# KiCad board QUT_Autopilot_Pixracer.kicad_pcb (continued)
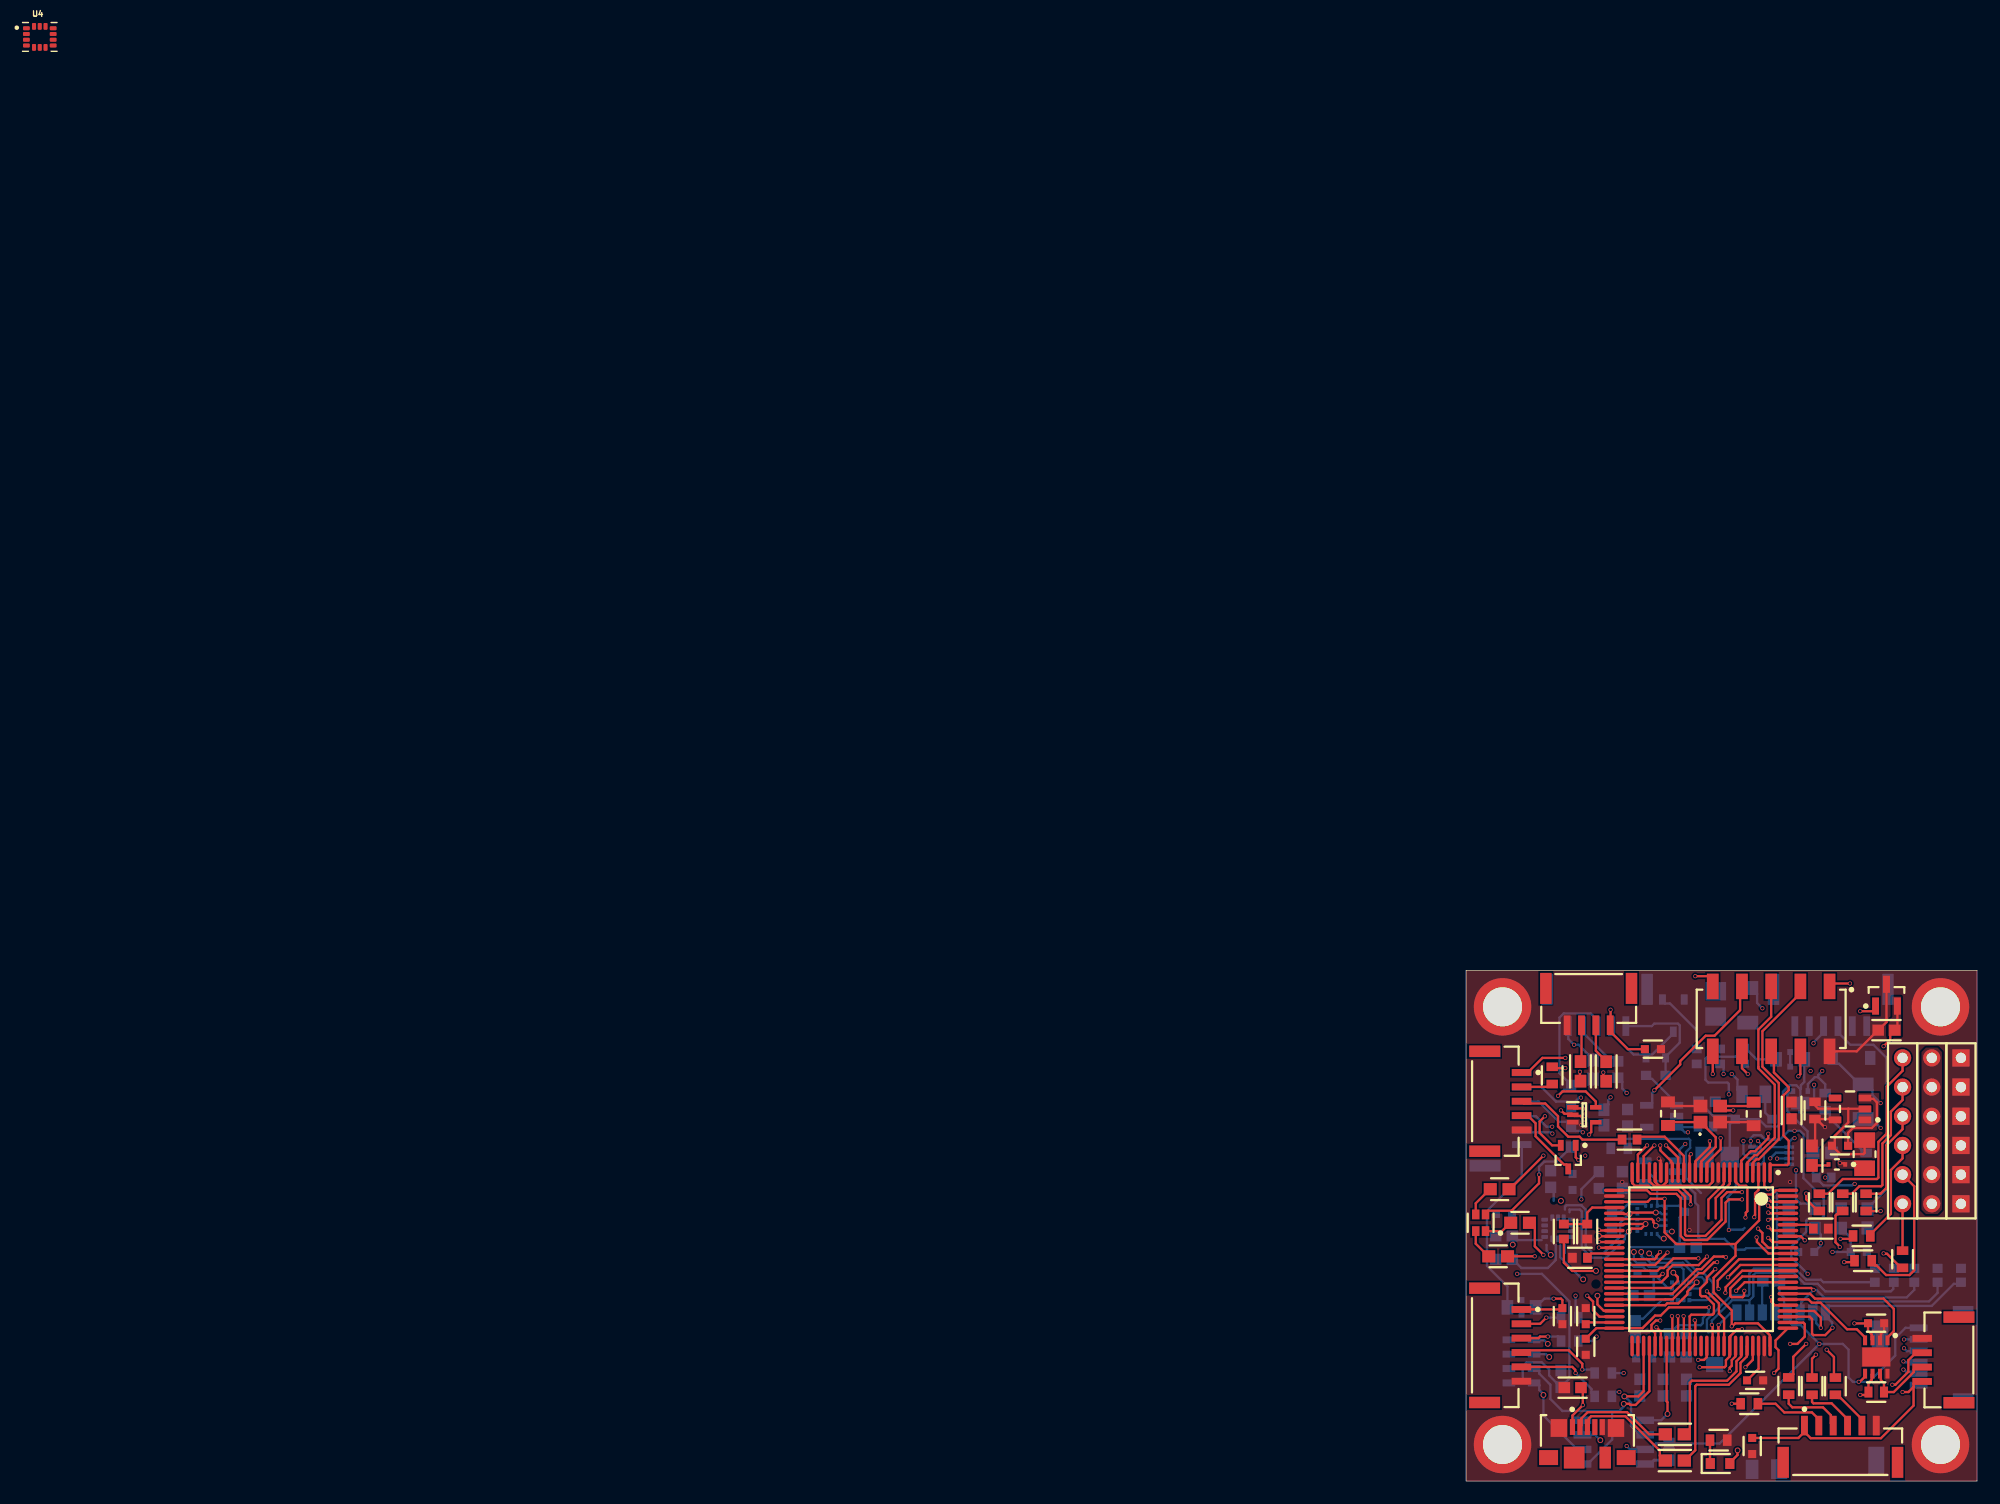
[diagram p0: board, top side]
## Nets
/IMU/VDD_3V3_SENSORS: U4.5 U4.8
GND: C1.1 C2.1 C3.2 C4.1 C5.2 C6.2 C7.1 C8.1 C9.1 C10.1 C11.1 C12.1 C13.1 C14.1 C15.2 C16.2 C17.1 C18.1 C19.1 C20.1 C21.1 C22.1 C23.1 C24.2 C25.2 C27.2 C28.1 C29.2 C32.1 C33.2 C34.2 C35.2 C36.1 C37.2 C38.2 C39.3 C39.4 C40.2 C41.2 C42.2 C43.2 C44.2 C45.2 C46.1 C47.1 C48.1 D3.2 IC1.10 IC1.20 IC1.27 IC1.74 IC1.99 IC2.3 IC3.4 IC5.7 IC5.8 IC5.9 IC5.10 IC5.11 IC5.12 IC5.13 IC5.15 IC6.2 IC6.3 IC8.2 IC8.8 IC8.9 IC9.3 IC10.4 IC11.2 J1.6 J2.5 J2.6 J2.7 J3.5 J3.6 J4.6 J4.G1 J4.G2 J4.G3 J5.4 J6.5 J7.6 J8.6 J9.6 J11.1 J11.2 J11.3 J11.4 J11.5 J11.6 J14.4 JP1.2 NOREF.1 NOREF#2.4 NOREF#3.2 NOREF#4.3 Q1.2 R1.2 R2.2 R3.1 R5.1 R10.2 R11.2 R13.2 R40.2 R43.2 R45.2 R46.2 R49.2 R53.2 U1.2 U2.2 U3.2 U3.3 U3.12 U4.6 U4.9 Y1.2 Y1.4
VBUS: C32.2 D2.2 IC1.68 J2.1 R42.1 R43.1
VBUS_VALID: IC1.15 R42.2
VDD_1V8_SENSORS: C20.2 C21.2
VDD_3V3_PERIPH: C44.1 C45.1 IC11.5 JP1.7 Q2.2
VDD_3V3_PERIPH_EN: IC1.34 IC11.3 R53.1
VDD_3V3_SENSORS: C17.2 C18.2 C22.2 C23.2 C25.1 C28.2 C29.1 C46.2 C47.2 IC5.1 IC5.16 IC6.1 R5.2 U1.5 U3.5 U3.6
VDD_3V3_SENSORS_EN: IC1.2 U1.3
VDD_3V3_SPEKTRUM: J6.4 Q2.3
VDD_5V_BRICK: F1.1 J3.1 J3.2
VDD_5V_IN: C14.2 C26.1 C42.1 C43.1 D2.3 D2.4 D3.1 D4.2 F3.1 IC11.1 LED1.2 R12.1 R47.1 U2.1 U2.3
VDD_5V_PERIPH: C36.2 C37.1 C38.1 C39.1 C40.1 F3.2 IC8.3 J5.1 J7.1 J8.1 J14.1
VDD_5V_RECEIVER: F2.2 J6.1
VDD_5V_SENS: IC1.29 R12.2 R13.1
VDD_BRICK_VALID: IC1.91 R44.2 R45.1
VDD_SERVO: J10.1 J10.2 J10.3 J10.4 J10.5 J10.6
8266_CTS: IC1.41 JP1.10
8266_GPIO0: IC1.1 JP1.6
8266_GPIO2: IC1.90 JP1.4
8266_PD: IC1.4 JP1.3
8266_RST: IC1.5 JP1.5
8266_RTS: IC1.67 JP1.9
20608_CS: IC1.9 IC5.5
20608_DRDY: IC1.8 IC5.6
/IMU/MPU9250_CS: U4.12
/IMU/MPU9250_DRDY: U4.4
/IMU/MPU9250_MISO: U4.1
/IMU/MPU9250_MOSI: U4.14
/IMU/MPU9250_SCK: U4.13
ALARM: IC1.77 R48.1
BARO_CS: IC1.88 IC6.5
BATT_CURRENT_SENS: C33.1 IC1.26 R8.2
BATT_VOLT_SENS: C34.1 IC1.25 R9.2
BUZZER+: D5.1 J13.5 R47.2
BUZZER-: D5.2 J13.4 Q1.3
CAN1_RX: IC1.81 IC8.4
CAN1_TX: IC1.82 IC8.1
FMU_CH1: IC1.45 R34.2
FMU_CH2: IC1.44 R35.2
FMU_CH3: IC1.42 R36.2
FMU_CH4: IC1.40 R37.2
FMU_CH5: IC1.60 R38.2
FMU_CH6: IC1.61 R39.2
FMU_I2C1_SCL: IC1.95 J9.4 R32.2
FMU_I2C1_SDA: IC1.96 J9.5 R33.2
FMU_LED_BLUE: IC1.89 R50.2
FMU_LED_GREEN: IC1.36 R51.2
FMU_LED_RED: IC1.48 R52.2
FMU_RC_INPUT: IC1.64 IC9.4
FMU_SWCLK: IC1.76 J1.5
FMU_SWDIO: IC1.72 J1.4
FMU_UART7_RX: IC1.38 J1.3
FMU_UART7_TX: IC1.39 J1.2
FMU_USART1_RX: IC1.93 JP1.1
FMU_USART1_TX: IC1.92 JP1.8
FMU_USART2_CTS: IC1.84 R30.1
FMU_USART2_RTS: IC1.85 R31.1
FMU_USART2_RX: IC1.87 R29.1
FMU_USART2_TX: IC1.86 R28.1
FMU_USART3_CTS: IC1.58 R26.1
FMU_USART3_RTS: IC1.59 R27.1
FMU_USART3_RX: IC1.56 R25.1
FMU_USART3_TX: IC1.55 R24.1
FMU_USART4_RX: IC1.24 J9.3
FMU_USART4_TX: IC1.23 J9.2
FMU_USART8_RX: IC1.97 IC10.3
FMU_USART8_TX: IC1.98 IC10.2
FMU_VBAT: C16.1 D1.1 IC1.6
FMU_VDD_3V3: C5.1 C6.1 C15.1 C35.1 IC2.2 IC3.3 IC3.7 IC3.8 IC8.5 IC9.5 IC10.8 J1.1 J4.4 J13.3 LED2.4 R3.2 R4.1 R32.1 R33.1 U2.5
FRAM_CS: IC1.57 IC3.1
FRAM_MISO: IC1.53 IC3.2 IC6.6
FRAM_MOSI: IC1.54 IC3.5 IC6.7
FRAM_SCK: IC1.47 IC3.6 IC6.8
FrSky_IN: J14.3 R23.1
FrSky_INV: IC1.69 IC10.1 IC10.5
FrSky_OUT: J14.2 R22.1
LED_SAFETY: IC1.18 R41.1
MPU9250_CS: IC1.17
MPU9250_DRDY: IC1.62
MPU9250_MISO: IC1.31 IC5.4 U3.9
MPU9250_MOSI: IC1.32 IC5.3 U3.11
MPU9250_SCK: IC1.30 IC5.2 U3.1
NetC1_2: C1.2 IC1.49
NetC2_2: C2.2 C8.2 C9.2 C10.2 C11.2 C12.2 C13.2 IC1.11 IC1.19 IC1.21 IC1.22 IC1.28 IC1.50 IC1.75 IC1.100
NetC7_2: C7.2 IC1.73
NetC19_2: C19.2
NetC24_1: C24.1 IC5.14
NetC26_2: C26.2 C27.1 U1.1
NetC26_3: C26.3 C26.4
NetC39_2: C39.2 J9.1
NetC41_1: C41.1 D2.1 F1.2 R44.1
NetC48_2: C48.2 U3.4
NetD1_2: D1.2 R4.2
NetD4_1: D4.1 F2.1
NetIC1_37: IC1.37 R1.1
NetIC1_94: IC1.94 R2.1
NetIC8_6: IC8.6 J5.3 R19.1
NetIC8_7: IC8.7 J5.2 R19.2
NetIC10_6: IC10.6 R23.2
NetIC10_7: IC10.7 R22.2
NetJ2_2: J2.2 R6.1
NetJ2_3: J2.3 R7.1
NetJ3_3: J3.3 R8.1 R10.1
NetJ3_4: J3.4 R9.1 R11.1
NetJ6_2: J6.2 R20.2
NetJ6_3: J6.3 R21.1
NetJ7_2: J7.2 R24.2
NetJ7_3: J7.3 R25.2
NetJ7_4: J7.4 R26.2
NetJ7_5: J7.5 R27.2
NetJ8_2: J8.2 R28.2
NetJ8_3: J8.3 R29.2
NetJ8_4: J8.4 R30.2
NetJ8_5: J8.5 R31.2
NetJ12_1: J12.1 R34.1
NetJ12_2: J12.2 R35.1
NetJ12_3: J12.3 R36.1
NetJ12_4: J12.4 R37.1
NetJ12_5: J12.5 R38.1
NetJ12_6: J12.6 R39.1
NetJ13_2: J13.2 R41.2
NetLED1_1: LED1.1 R46.1
NetLED2_1: LED2.1 R52.1
NetLED2_2: LED2.2 R51.1
NetLED2_3: LED2.3 R50.1
NetQ1_1: Q1.1 R48.2 R49.1
NetR14_2: R14.2 R15.1 R16.1 R17.1 R18.1
nMAG_CS: IC1.46 U3.10
nMAG_DRDY: IC1.43 U3.8
OSC_IN: C3.1 IC1.12 Y1.3
OSC_OUT: C4.2 IC1.13 Y1.1
OTG_FS_DM: IC1.70 R6.2
OTG_FS_DP: IC1.71 R7.2
RC_INPUT: IC1.35 IC9.2 R20.1
RSSI_IN: IC1.16 R21.2
SAFETY_SWITCH_IN: IC1.33 J13.1 R40.1
SBUS_INV: IC1.7 IC9.1
SDIO_CK: IC1.80 J4.5
SDIO_CMD: IC1.83 J4.3 R17.2
SDIO_D0: IC1.65 J4.7 R18.2
SDIO_D1: IC1.66 J4.8 R14.1
SDIO_D2: IC1.78 J4.1 R15.2
SDIO_D3: IC1.79 J4.2 R16.2
SPEKTRUM_POWER: IC1.3 Q2.1
~{RST}: IC1.14 IC2.1
Net-(U4-RESV_10): U4.10

Pads without a net: IC1 51 52 63; IC6 4; IC11 4; J1 MP1 MP2; J2 4 8 9 10 11; J3 7 8; J4 CD1 MP1; J5 5 6; J6 6 7; J7 7 8; J8 7 8; J9 7 8; J13 6 7; J14 5 6; REF** 1 2 3 4 5 6 7 8 9 10 11 12 13 14; U1 4; U2 4; U3 7; U4 2 3 7 11

## Via types
v1: diameter 0.356, hole 0.254, Top Layer to Bottom Layer, 163 vias
v2: diameter 0.5, hole 0.356, Top Layer to Bottom Layer, 27 vias

## Routing (per net, layer and track width the routed paths; a pad name or vN(x,y) marks a point on that pad's centre or on a via; arc(x,y) is an arc through that point)
GND: length 35.8
  Top Layer w0.203: Y1.2 24.71,31.24 C3.2 ; C16.2 34.67,28.57 34.55,28.45 32.56,28.45 C14.1 32.08,29.43 32.08,30.05 33.25,31.22 33.25,32.41 ; C4.1 17.93,32.64 Y1.4 ; IC8.2 36.09,12.32 36.09,12.8 36.37,13.08 C36.1 ; 33.25,32.41 34.68,32.41 U2.2 ; 33.25,32.41 30.64,32.41 30.34,32.7 ; v1(16.76,28.07) 16.76,28.05 16.93,27.89 16.93,26.87 IC1.20 ; IC2.3 36.58,39.95 35.87,39.24 C6.2 35.83,39.24 33.99,37.4 JP1.2
  Bottom Layer w0.203: J4.6 25.76,17.34 C35.2
  Bottom Layer w0.254: IC3.4 16.03,1.48 16.36,1.81 C5.2
  vias: v1(10.03,30.99) v1(13.59,26.03) v1(19.43,21.84) v1(28.19,26.03)
VBUS: length 79.1
  Top Layer w0.203: J2.1 9.26,5.7 v1(10.16,6.6) 10.16,7.96 C32.2 ; v1(20.32,9.91) 22.49,9.91 22.61,10.02 22.61,10.51 22.93,10.84 22.93,10.96 22.95,10.98 22.95,12.53 23,12.58 23,12.62 23.58,13.21 v1(24,13.21)
  Mid Layer 1 w0.203: v1(20.32,9.91) 17.4,9.91 17.15,10.16 14.51,10.16 14.39,10.04 14.39,6.48 13.96,6.05 10.72,6.05 v1(10.16,6.6)
  Mid Layer 2 w0.203: v1(24,13.21) 22.48,11.68 22.48,9.14 23.42,8.21 34.34,8.21 34.59,8.46 34.59,8.77 34.71,8.89 39.24,8.89 39.75,9.4 39.75,15.37 34.16,20.95 34.16,25.5 v1(33.81,25.86)
  Bottom Layer w0.203: D2.2 28.43,33.89 28.33,33.79 28.06,33.79 27.94,33.68 27.94,32.2 29.71,30.44 29.71,29 30.14,28.58 R43.1 30.17,26.76 30.46,26.47 R42.1 30.46,26.36 31.09,25.73 33.59,25.73 33.69,25.83 33.78,25.83 v1(33.81,25.86)
VBUS_VALID: length 14.7
  Top Layer w0.203: v1(19.56,28.45) 19.56,28.43 19.45,28.32 IC1.15
  Mid Layer 2 w0.203: v1(19.56,28.45) 20.88,27.13 22.33,27.13 22.84,26.62 29.84,26.62 30.05,26.42 v1(31.24,26.42)
  Bottom Layer w0.203: v1(31.24,26.42) R42.2
VDD_1V8_SENSORS: length 23.2
  Mid Layer 2 w0.203: 7.62,24.38 9.65,22.35 9.65,17.65 9.68,17.62 9.68,17.34 9.98,17.05 10.39,17.05 10.49,17.14 11.3,17.14
  Bottom Layer w0.203: 7.62,24.38 7.62,25.31 C21.2 ; 13.33,29.67 13.45,29.79 19.37,29.79 19.5,29.66 19.5,29 19.13,28.63 19.13,26.37 20.43,25.08 20.45,25.08 ; 8.6,19.85 8.6,20.55
VDD_3V3_PERIPH: length 26
  Top Layer w0.203: v1(6.86,31.75) 6.4,31.3 6.4,30.3 7.48,29.22 Q2.2 ; v1(16.38,34.01) 18.63,36.26 18.63,36.55 20.85,38.76 21.62,38.76 23.84,40.99 23.84,42.89 JP1.7
  Mid Layer 2 w0.203: v1(6.86,31.75) 8.86,31.75 10.01,32.89 12.07,32.89 v1(12.57,33.4)
  Bottom Layer w0.203: v1(16.38,34.01) 16.38,33.97 16.19,33.78 16.19,32.9 15.99,32.7 IC11.5 ; v1(12.57,33.4) 12.57,33.36 12.38,33.16 12.38,32.77 12,32.4 C44.1
VDD_3V3_PERIPH_EN: length 19.9
  Top Layer w0.203: IC1.34 11.59,21.3 v2(11.56,21.34)
  Mid Layer 1 w0.203: v1(19.3,30.35) 13.59,30.35 12.06,28.83 12.06,21.45 11.94,21.34 v2(11.56,21.34)
  Bottom Layer w0.203: 18.59,30.8 19.04,30.36 19.3,30.36 v1(19.3,30.35) ; 18.59,30.8 20.12,30.8 R53.1 ; 18.59,30.8 IC11.3
VDD_3V3_SENSORS: length 63.3
  Mid Layer 1 w0.203: v2(4.06,20.57) 4.06,18.42 v1(4.45,18.03)
  Mid Layer 2 w0.203: v2(4.06,20.57) 5.83,22.34 5.83,23.49 7.37,25.02 9.52,25.02 v1(10.03,24.51)
  Bottom Layer w0.203: 16.1,16.26 16.32,16.48 C47.2 ; 16.1,16.26 C46.2 ; 16.1,16.26 U3.5 ; IC5.1 17.3,23.73 17.08,23.96 ; C18.2 4.06,21.3 ; 4.06,21.3 v2(4.06,20.57) ; 4.06,21.3 4.39,20.97 6.58,20.97 ; U1.5 15.79,27.87 15.99,27.68 15.99,26.75 16.63,26.11 IC5.16 17.08,23.96 ; C47.2 16.07,18.28 15.96,18.28 15.95,18.29 15.75,18.29 15.4,18.64 14.64,18.64 14.17,19.11 14.17,20.25 14.29,20.37 18.53,20.37 C23.2 18.58,22.96 C22.2 18.52,23.96 17.08,23.96 ; C47.2 17.52,16.83 17.83,16.83 U3.6 ; v1(10.03,24.51) 10.03,25.4 11.18,26.55 11.2,26.55 11.56,26.9 C29.1 ; IC6.1 4.58,8.54 4.93,8.88 4.93,9.99 5.27,10.34 6.58,10.34 7.23,9.69 7.23,9.19 7.85,8.57 7.87,8.57 8.26,8.18 ; v1(4.45,18.03) 6.6,18.03 8.99,15.64 8.99,8.92 8.26,8.18 ; 8.26,8.18 C25.1
VDD_3V3_SENSORS_EN: length 20.6
  Top Layer w0.203: v1(26.29,25.4) 26.26,25.43 26.17,25.43 25.95,25.65 IC1.2
  Bottom Layer w0.203: v1(26.29,25.4) 26.32,25.37 26.7,25.37 27.05,25.02 27.05,20.45 26.87,20.26 24.37,20.26 24.24,20.13 23.43,20.13 22.48,21.08 20.31,21.08 20.19,21.2 20.19,23.97 19.94,24.22 19.94,25.02 19.43,25.53 18.89,25.53 18.44,25.97 U1.3
VDD_3V3_SPEKTRUM: length 6.8
  Top Layer w0.203: J6.4 5.38,31.81 6.05,31.14 6.05,30.01 8.52,27.54 8.74,27.54 8.89,27.39 Q2.3
VDD_5V_IN: length 107.6
  Top Layer w0.203: v2(11.3,18.29) 9.23,18.29 8.51,19.01 R12.1 ; U2.3 34.77,33.27 35.44,33.27 35.74,32.97 35.74,31.17 35.31,30.73 33.65,30.73 33.23,30.31 C14.2 ; v2(23.62,2.67) 23.61,2.66 23.61,2.26 22.95,1.6 LED1.2
  Mid Layer 1 w0.203: v1(22.86,21.84) 20.57,21.84 19.3,20.57 19.3,19.18 20.46,18.02 21.86,18.02 22.13,18.29 25.15,18.29 32.38,11.05 32.38,10.64 32.16,10.42 23.74,10.42 23.62,10.3 v2(23.62,2.67)
  Mid Layer 2 w0.203: v1(22.86,21.84) 22.15,22.56 22.15,23.2 21.98,23.37 18.03,23.37 17.53,23.88 15.37,23.88 14.73,23.24 14.73,21.46 11.56,18.29 11.32,18.29
  Bottom Layer w0.203: D4.2 23.14,31.77 21.5,31.77 20.25,33.02 C43.1 ; D4.2 23.39,31.5 22.95,31.05 C42.1 23.47,27.67 23.47,25.43 22.73,24.69 22.73,24.67 22.86,24.55 v1(22.86,21.84) 22.89,21.87 24.08,21.87 24.24,22.03 ; D4.2 25.47,31.5 26.1,30.86 27.13,30.86 27.56,31.29 27.56,33.87 28.13,34.44 28.74,34.44 29.08,34.1 ; v1(36.07,32.89) 35.35,33.61 35.35,34.03 34.85,34.53 F3.1 34.23,34.53 32.44,36.32 32.25,36.32 31.89,36.67 D3.1 ; 29.08,34.1 29.13,34.15 29.13,34.45 29.42,34.74 C26.1 ; 29.08,34.1 D2.3 ; IC11.1 18.04,32.7 17.84,32.9 17.84,33.34 16.17,35.01 15.96,35.01 R47.1
VDD_5V_PERIPH: length 139.2
  Top Layer w0.203: 38.93,8.2 38.93,8.47 39.13,8.67 J5.1 ; 38.93,8.2 38.93,6.56 36.09,3.72 29.99,3.72 29.44,4.28 ; 38.93,8.2 38.48,7.75 v1(37.97,7.75) ; v1(7.62,15.88) 8.26,15.88 8.38,15.75 C37.1 8.27,14.94 J7.1 ; C40.1 14.08,37.59 12.54,39.13 J14.1 12.57,39.71 v1(12.57,41.02) ; IC8.3 35.29,12.32 35.29,12.77 34.97,13.08 C36.2 34.95,13.72 v1(33.78,13.72) ; 29.44,4.28 J8.1 ; 29.44,4.28 28.91,3.75 C38.1
  Mid Layer 1 w0.203: v1(37.97,7.75) 37.6,8.12 37.6,9.01 33.78,12.83 ; 33.78,12.83 33.78,10.16 25.65,2.03 21.21,2.03 18.16,5.08 8,5.08 6.1,6.98 6.1,12.45 7.62,13.97 v1(7.62,15.88) 4.78,18.71 4.78,34.12 11.68,41.02 v1(12.57,41.02) ; 33.78,12.83 v1(33.78,13.72) 33.78,14.88 36.95,18.06 36.95,29.85 v1(36.07,30.73)
  Bottom Layer w0.203: v1(7.62,15.88) 6.81,15.88 6.58,15.65 6.46,15.65 6.05,15.24 C39.1 ; F3.2 35.04,31.02 35.77,31.02 36.05,30.73 v1(36.07,30.73)
VDD_5V_RECEIVER: length 21.5
  Top Layer w0.203: J6.1 5.38,35.56 6.65,36.83 v1(8.64,36.83)
  Mid Layer 2 w0.203: v1(23.11,35.43) 21.72,36.83 v1(8.64,36.83)
  Bottom Layer w0.203: v1(23.11,35.43) 23.61,34.94 23.61,34.05 F2.2
VDD_5V_SENS: length 5.6
  Top Layer w0.203: IC1.29 10.98,23.8 10.54,23.37 R13.1 R12.2
VDD_BRICK_VALID: length 25.6
  Top Layer w0.203: v1(26.29,21.16) 26.65,20.8 IC1.91
  Mid Layer 1 w0.203: v1(26.29,21.16) 27.51,21.16 28.96,22.61 28.96,25.27 30.28,26.6 v1(30.28,34.49)
  Bottom Layer w0.203: R45.1 34.67,28.56 31.64,31.6 31.64,32 31.37,32.27 31.12,32.27 30.28,33.11 v1(30.28,34.49)
8266_CTS: length 34.6
  Top Layer w0.203: v1(17.1,18.03) 17.06,18.03 16.83,17.8 IC1.41 ; v1(21.46,35.43) JP1.10
  Mid Layer 1 w0.203: v1(17.1,18.03) 14.09,18.03 12.42,19.71 12.42,28.68 13.58,29.84 19.56,29.84 21.46,31.75 v1(21.46,35.43)
8266_GPIO0: length 13.1
  Top Layer w0.203: IC1.1 26.45,27.46 26.49,27.5 27.95,27.5 28.07,27.62 28.07,29.62 27.61,30.07 27.61,33.57 28.07,34.02 28.07,34.28 26.78,35.57 26.78,37.16 JP1.6
8266_GPIO2: length 22.2
  Top Layer w0.203: JP1.4 29.08,35.42 28.91,35.25 v1(28.91,35.22) ; IC1.90 26.3,20.3 25.78,20.83 25.78,21.59 v1(25.4,21.97)
  Mid Layer 1 w0.203: v1(28.91,35.22) 27.76,34.08 27.76,30.06 27.48,29.78 27.48,28.24 27.76,27.96 27.76,24.59 26.92,23.75 26.92,21.84 26.67,21.59 25.78,21.59 v1(25.4,21.97)
8266_PD: length 19.2
  Top Layer w0.203: JP1.3 29.08,42.45 25.78,39.15 25.78,36.07 27.21,34.64 27.21,29.75 25.47,28.01 25.25,28.01 24.97,27.72 24.97,26.87 IC1.4
8266_RST: length 18.4
  Top Layer w0.203: IC1.5 24.47,26.87 24.47,27.72 25.11,28.36 25.31,28.36 26.85,29.9 26.85,34.5 25.43,35.92 25.43,36.04 25.43,39.3 26.54,40.41 JP1.5
8266_RTS: length 47.8
  Top Layer w0.203: JP1.9 21.46,43.53 21.05,43.94 v1(19.94,43.94) ; IC1.67 22.45,14.13 22,14.58 22,15.47 v1(20.95,16.51)
  Mid Layer 1 w0.203: v1(19.94,43.94) 21.97,41.91 21.97,31.62 20.19,29.84 20.19,28.45 19.11,27.36 16.96,27.36 12.77,23.18 12.77,19.86 14.09,18.54 17.27,18.54 17.53,18.28 17.53,17.14 18.16,16.51 v1(20.95,16.51)
20608_CS: length 8.8
  Top Layer w0.203: IC1.9 22.43,26.84 22.43,25.85 21.08,24.5 21.08,22.86
  Mid Layer 2 w0.203: 21.08,22.86 19.05,22.86 v2(17.91,21.72)
  Bottom Layer w0.203: v2(17.91,21.72) 17.9,21.72 17.36,21.72 IC5.5
20608_DRDY: length 10.6
  Top Layer w0.203: IC1.8 22.95,26.85 22.95,25.87 21.72,24.64 21.72,22.86
  Mid Layer 2 w0.203: 21.72,22.86 21.69,22.83 21.69,22.64 21.4,22.35 19.3,22.35 18.05,21.1 v2(17.2,21.1)
  Bottom Layer w0.203: v2(17.2,21.1) 17.17,21.13 16.96,21.13 16.63,21.46 IC5.6
ALARM: length 46.3
  Top Layer w0.203: v1(28.19,11.94) 28.83,11.94 29.46,12.57 29.46,13.67 29.35,13.79 28.02,13.79 IC1.77
  Mid Layer 1 w0.203: v1(28.19,11.94) 28.18,11.95 28.18,12.2 24.66,15.73 24.66,16.95 24.33,17.27 21.11,17.27 20.7,16.86 18.65,16.86 18.54,16.98 18.54,18.35 17.99,18.89 14.23,18.89 13.12,20.01 13.12,23.03 17.1,27.01 19.39,27.01 20.57,28.19 20.57,29.59 22.48,31.5 22.48,33.4 22.4,33.48 v1(22.4,35.43)
  Bottom Layer w0.203: v1(22.4,35.43) 22.4,36.03 22.13,36.31 R48.1
BARO_CS: length 46.8
  Top Layer w0.203: v1(21.97,16.72) 21.94,16.75 21.94,16.79 21.89,16.85 21.89,17.44 23.75,19.3 IC1.88
  Mid Layer 1 w0.203: v2(7.11,11.94) 6.63,11.46 6.63,10.51 6.98,10.16 12.43,10.16 12.55,10.04 12.55,7.48 12.43,7.37 9.91,7.37 9.65,7.11 9.65,6.22 10.18,5.69 14.46,5.69 14.89,6.13 14.89,9.15 15.01,9.27 20.32,9.27 21.34,10.29 21.34,12.18 20.32,13.2 20.32,15.62 20.7,16 21.59,16 21.97,16.38 v1(21.97,16.72)
  Bottom Layer w0.203: v2(7.11,11.94) 6.79,12.26 5.96,12.26 IC6.5
BATT_CURRENT_SENS: length 32.4
  Top Layer w0.203: v1(24,24.51) 22.86,24.51 22.58,24.23 22.58,22.59 20.97,20.98 19.02,20.98 18.67,21.34 18.67,24.62 18.3,25 16.06,25 15.75,25.3 IC1.26
  Mid Layer 2 w0.203: v1(30.86,20.7) 30.44,20.7 30.33,20.82 30.33,21.2 29.79,21.74 27.53,21.74 27.07,22.2 27.07,25.22 26.45,25.85 24.1,25.85 23.51,25.26 23.51,25 v1(24,24.51)
  Bottom Layer w0.203: C33.1 30.86,20.51 30.86,21.45 30.35,21.96 R8.2
BATT_VOLT_SENS: length 33.2
  Top Layer w0.203: IC1.25 14.47,26.84 14.47,25.92 14.68,25.7 15.85,25.7 16.2,25.35 18.44,25.35 19.05,24.74 19.05,21.45 19.17,21.34 20.83,21.34 22.23,22.73 22.23,24.65 22.72,25.15 v1(24,25.15)
  Mid Layer 2 w0.203: v1(24,25.15) 24.21,24.94 26.47,24.94 26.72,24.69 26.72,22.05 27.38,21.38 29.64,21.38 29.97,21.05 29.97,20.06 30.09,19.94 v1(31.88,19.94)
  Bottom Layer w0.203: R9.2 33.46,21.18 C34.1 v1(31.88,19.94)
BUZZER+: length 9.7
  Bottom Layer w0.203: J13.5 16.16,39.6 16.38,39.81 18.44,39.81 18.59,39.67 18.59,38.16 17.36,36.93 D5.1 R47.2
BUZZER-: length 7.9
  Bottom Layer w0.203: D5.2 15.66,36.93 ; 15.66,36.93 15.86,37.13 16.2,37.13 18.03,38.96 Q1.3 ; 15.66,36.93 15.46,37.13 14.57,37.13 12.65,39.05 J13.4
CAN1_RX: length 8.3
  Top Layer w0.203: IC1.81 29.79,15.8 30.07,15.52 30.83,15.52 33.15,13.21 34,13.21 34.71,12.5 IC8.4
CAN1_TX: length 12.7
  Top Layer w0.203: IC1.82 29.92,16.3 30.35,15.88 36.32,15.88 37.21,14.99 37.21,13.04 36.66,12.5 IC8.1
FMU_CH1: length 27.7
  Top Layer w0.203: IC1.45 17.34,15.8 17.35,15.82 17.98,15.82 20.25,18.09 20.61,18.09 21.54,19.02 21.81,19.02 v1(21.84,19.05) ; v1(36.32,19.81) 36.35,19.78 36.62,19.78 37.85,18.55 R34.2
  Mid Layer 1 w0.203: v1(21.84,19.05) 31.76,19.05 32.27,18.54 35.05,18.54 v1(36.32,19.81)
FMU_CH2: length 22.5
  Top Layer w0.203: v1(32.89,19.05) 33.67,19.05 R35.2 ; v1(22.61,19.48) 22.58,19.51 22.4,19.51 22.37,19.54 21.56,19.54 20.47,18.44 20.09,18.44 17.95,16.3 IC1.44
  Mid Layer 1 w0.203: v1(32.89,19.05) 32.39,19.05 31.96,19.48 v1(22.61,19.48)
FMU_CH3: length 22.9
  Top Layer w0.203: IC1.42 16.98,17.3 17.53,17.86 17.53,18.35 17.98,18.8 20.23,18.8 20.95,19.52 v1(20.95,19.54) ; v1(32.57,21.08) 33.41,21.08 R36.2
  Mid Layer 1 w0.203: v1(32.57,21.08) 32.54,21.05 32.32,21.05 31.19,19.92 21.09,19.92 20.97,19.8 20.97,19.55 v1(20.95,19.54)
FMU_CH4: length 27.7
  Top Layer w0.203: v1(20.21,19.38) 18.04,19.38 17.21,18.54 16.89,18.54 16.65,18.3 IC1.40 ; R37.2 34.81,23.5 v1(36.07,23.5)
  Mid Layer 1 w0.203: v1(36.07,23.5) 36.07,22.22 35.43,21.59 32.36,21.59 31.04,20.27 20.53,20.27 20.21,19.95 v1(20.21,19.38)
FMU_CH5: length 32.5
  Top Layer w0.203: IC1.60 18.95,14.31 18.92,14.34 v1(18.92,14.35) ; 32.77,23.76 32.77,23.63 32.37,23.23 32.26,23.23 32.14,23.11 32.14,20.78 32.51,20.41 v1(32.51,20.37)
  Mid Layer 2 w0.203: v1(32.51,20.37) 32.51,19.55 32.39,19.43 29.95,19.43 28.71,20.67 26.55,20.67 16.5,20.67 16.36,20.53 16.36,18.79 16.48,18.67 18.54,18.67 18.92,18.29 v1(18.92,14.35)
FMU_CH6: length 28.9
  Top Layer w0.203: v1(29.59,25.02) 29.59,24.53 30.61,23.51 R39.2 ; IC1.61 19.45,14.33 19.59,14.48 21.44,14.48 21.56,14.59 21.56,15.37 20.85,16.08 20.48,16.08 20.36,16.2 20.36,16.73 20.95,17.32 20.95,17.72 v1(21.68,18.45)
  Mid Layer 1 w0.203: v1(21.68,18.45) 20.53,18.45 19.66,19.32 19.66,20.29 20.1,20.73 28.22,20.73 29.59,22.1 v1(29.59,25.02)
FMU_I2C1_SCL: length 35.2
  Top Layer w0.203: IC1.95 26.4,22.8 26.33,22.73 v1(26.29,22.73)
  Mid Layer 2 w0.203: v1(10.16,30.35) 10.16,30.37 10.61,30.82 12.53,30.82 12.95,31.24 12.95,32.13 13.21,32.39 13.21,34.38 13.33,34.5 14.16,34.5 17.71,30.95 17.71,29.93 17.91,29.74 17.91,26.33 18.03,26.21 21.14,26.21 23.63,23.72 25.3,23.72 v1(26.29,22.73)
  Bottom Layer w0.203: v1(10.16,30.35) 10.12,30.35 10,30.47 9.49,30.47 9.14,30.82 R32.2 9.14,30.92 8.8,31.27 8.08,31.27 6.32,33.03 J9.4
FMU_I2C1_SDA: length 32
  Top Layer w0.203: IC1.96 26.39,23.3 26.33,23.37 v1(26.29,23.37)
  Mid Layer 2 w0.203: v1(10,33.37) 11.53,33.37 13.01,34.85 14.31,34.85 18.06,31.1 18.06,30.08 18.26,29.88 18.26,26.68 18.38,26.56 21.28,26.56 23.77,24.07 25.56,24.07 26.26,23.37 v1(26.29,23.37)
  Bottom Layer w0.203: J9.5 6.57,34.28 7.83,33.03 8.8,33.03 9.14,32.68 ; v1(10,33.37) 9.99,33.36 9.83,33.36 9.14,32.68 ; 9.14,32.68 R33.2
FMU_LED_BLUE: length 29.2
  Top Layer w0.203: R50.2 4.17,25.83 4.24,25.83 v1(6.73,28.32) ; v1(25.27,21.21) 25.3,21.18 25.3,20.81 26.31,19.8 IC1.89
  Mid Layer 2 w0.203: v1(25.27,21.21) 25.24,21.24 24.61,21.24 20.7,25.15 15.37,25.15 13.84,26.67 8.38,26.67 v1(6.73,28.32)
FMU_LED_GREEN: length 9.8
  Top Layer w0.203: R51.2 v1(5.97,19.56) ; IC1.36 11.57,20.3 v1(11.56,20.32)
  Mid Layer 1 w0.203: v1(11.56,20.32) 6.33,20.32 6,19.99 6,19.59 v1(5.97,19.56)
FMU_LED_RED: length 12.2
  Top Layer w0.203: R52.2 5.55,22.48 5.98,22.05 5.98,20.44 v1(6.73,19.69) ; IC1.48 11.6,14.3 11.05,14.86 11.05,15.62 v1(10.54,16.13)
  Mid Layer 1 w0.203: v1(10.54,16.13) 10.51,16.16 10.26,16.16 v1(6.73,19.69)
FMU_RC_INPUT: length 42
  Top Layer w0.203: v1(20.19,10.54) 20.7,10.54 20.94,10.78 20.94,11.74 IC1.64 ; IC9.4 10.99,31.23 10.89,31.13 10.89,30.37 10.7,30.19 v1(10.7,30.15)
  Mid Layer 1 w0.203: v1(20.19,10.54) 20.19,12.71 20.07,12.83 16.51,12.83 14.73,14.61 11.9,14.61 11.78,14.49 11.78,12.29 11.56,12.06 11.18,12.06 10.92,12.32 10.92,14.87 10.8,14.99 9.27,14.99 5.33,18.92 5.33,20.07 6.09,20.83 7.24,20.83 10.8,24.39 10.8,30.02 10.7,30.11 v1(10.7,30.15)
FMU_SWCLK: length 17.9
  Top Layer w0.203: v1(26.8,9.4) 27.18,9.78 27.18,11.39 26.92,11.65 26.92,12.23 IC1.76
  Mid Layer 2 w0.203: v1(26.8,9.4) 27.28,8.91 33.33,8.91 34.02,9.6 37.9,9.6 38.01,9.7 v1(38.05,9.7)
  Bottom Layer w0.203: J1.5 39.2,9.5 38.29,9.5 38.09,9.7 v1(38.05,9.7)
FMU_SWDIO: length 18
  Top Layer w0.203: v1(24.31,9.91) 24.95,10.55 IC1.72
  Mid Layer 2 w0.203: v1(24.31,9.91) 26.9,9.91 27.54,9.27 33.19,9.27 33.87,9.95 37.58,9.95 v1(38.05,10.41)
  Bottom Layer w0.203: J1.4 38.17,10.33 38.09,10.41 v1(38.05,10.41)
FMU_UART7_RX: length 30.7
  Top Layer w0.203: v1(16.87,19.93) 16.87,19.89 16.56,19.57 16.56,19.45 16.41,19.3 IC1.38
  Mid Layer 2 w0.203: v1(38.1,11.56) 37.33,11.56 28.57,20.32 26.7,20.32 17.26,20.32 v1(16.87,19.93)
  Bottom Layer w0.203: v1(38.1,11.56) 38.35,11.3 39.34,11.3 J1.3
FMU_UART7_TX: length 32.7
  Top Layer w0.203: IC1.39 16.44,18.8 v1(17.53,19.89)
  Mid Layer 2 w0.203: v1(38.1,12.32) 38.61,11.81 38.61,11.17 38.49,11.05 37.34,11.05 28.49,19.9 22.79,19.9 22.78,19.91 21.19,19.91 21.13,19.97 19.31,19.97 19.03,19.69 17.78,19.69 17.6,19.86 17.56,19.86 v1(17.53,19.89)
  Bottom Layer w0.203: J1.2 39.36,12.33 38.11,12.33 v1(38.1,12.32)
FMU_USART1_RX: length 30.8
  Top Layer w0.203: IC1.93 26.62,21.8 26.33,22.1 v1(26.29,22.1) ; v1(33.4,43.31) 31.88,43.31 JP1.1
  Mid Layer 1 w0.203: v1(33.4,43.31) 35.15,41.56 35.15,40.75 31.91,37.5 30.27,37.5 27.41,34.65 27.41,30.2 26.04,28.83 26.04,26.01 25.61,25.58 25.61,22.78 v1(26.29,22.1)
FMU_USART1_TX: length 25
  Top Layer w0.203: v1(29.46,20.95) 29.11,21.3 IC1.92 ; JP1.8 24,35.93 24.5,35.43 v1(24.51,35.43)
  Mid Layer 1 w0.203: v1(29.97,35.69) 29.99,35.69 30.32,35.35 30.43,35.35 30.73,35.05 30.73,22.22 v1(29.46,20.95)
  Mid Layer 2 w0.203: v1(29.97,35.69) 27.27,35.69 27.02,35.43 v1(24.51,35.43)
FMU_USART2_CTS: length 17.6
  Top Layer w0.203: IC1.84 24.24,17.3 v1(23.49,16.56) ; v1(30.43,11) 30.43,10.98 30.1,10.65 R30.1
  Mid Layer 1 w0.203: v1(23.49,16.56) 23.49,16.56 23.49,14.35 27.05,10.8 30.18,10.8 30.39,11 v1(30.43,11)
FMU_USART2_RTS: length 21.3
  Top Layer w0.203: IC1.85 24.03,17.8 22.99,16.76 22.99,16.12 23.11,16 24.06,16 24.18,16.12 24.18,16.53 v1(24.21,16.56) ; v1(31.37,11.43) 32,10.8 32,9.13 R31.1
  Mid Layer 1 w0.203: v1(31.37,11.43) 30.13,11.43 29.87,11.17 27.56,11.17 24.13,14.61 24.13,16.38 24.18,16.43 24.18,16.53 v1(24.21,16.56)
FMU_USART2_RX: length 19.1
  Top Layer w0.203: R29.1 28.19,9.02 28.47,9.29 28.47,10.81 v1(29.59,11.94) ; v1(22.78,17.73) 23.86,18.8 IC1.87
  Mid Layer 1 w0.203: v1(22.78,17.73) 24.69,17.73 25.15,17.27 25.15,16.31 29.44,12.01 29.47,12.01 29.55,11.94 v1(29.59,11.94)
FMU_USART2_TX: length 19.4
  Top Layer w0.203: IC1.86 24.02,18.3 22.58,16.87 22.58,16.41 v1(22.56,16.38) ; v1(23.11,6.73) R28.1
  Mid Layer 1 w0.203: v1(22.56,16.38) 22.56,16.08 22.1,15.62 20.82,15.62 20.7,15.5 20.7,13.32 21.72,12.3 21.72,9.14 23.11,7.75 v1(23.11,6.73)
FMU_USART3_CTS: length 11.4
  Top Layer w0.203: v1(17.91,14.35) 17.91,14.34 17.95,14.3 IC1.58
  Mid Layer 2 w0.203: v1(13.72,9.4) 13.72,11.64 16.66,14.59 17.66,14.59 17.89,14.35 v1(17.91,14.35)
  Bottom Layer w0.203: R26.1 v1(13.72,9.4)
FMU_USART3_RTS: length 14.5
  Top Layer w0.203: IC1.59 18.45,14.31 18.42,14.34 v1(18.42,14.35)
  Mid Layer 2 w0.203: v1(18.42,14.35) 18.41,14.36 18.41,14.75 18.22,14.94 16.51,14.94 13.21,11.64 13.21,9.3 13.33,9.17 v1(13.33,7.75)
  Bottom Layer w0.203: v1(13.33,7.75) 12.96,7.75 12.69,7.47 R27.1
FMU_USART3_RX: length 11.7
  Top Layer w0.203: v1(16.56,13.38) 16.95,13 IC1.56
  Mid Layer 1 w0.203: v1(11.35,12.57) 11.35,14.87 11.47,14.99 14.96,14.99 v1(16.56,13.38)
  Bottom Layer w0.203: v1(11.35,12.57) 10.97,12.19 R25.1
FMU_USART3_TX: length 13.2
  Top Layer w0.203: IC1.55 16.45,12.89 16.13,13.21 16.13,13.59 16.51,13.97 v1(16.89,13.97)
  Mid Layer 1 w0.203: v1(16.89,13.97) 15.49,15.37 10.3,15.37 9.53,16.13 v1(9.52,16.13)
  Bottom Layer w0.203: v1(9.52,16.13) 9.52,14.47 R24.1
FMU_USART4_RX: length 16.2
  Top Layer w0.203: IC1.24 14.95,28.41 v1(15.75,29.21)
  Mid Layer 2 w0.203: v1(15.75,29.21) 7.13,29.21 7.02,29.33 7.02,30.36 7.48,30.83
  Bottom Layer w0.203: v1(7.49,30.84) 6.99,30.84 6.09,31.75 4.88,31.75 J9.3
FMU_USART4_TX: length 15.1
  Top Layer w0.203: IC1.23 15.45,28.27 v1(16.38,29.21)
  Mid Layer 2 w0.203: v1(16.38,29.21) 16.36,29.21 15.93,29.64 7.63,29.64 7.51,29.76 v1(7.51,30.24)
  Bottom Layer w0.203: J9.2 5.03,30.35 7.37,30.35 7.47,30.25 7.5,30.25 v1(7.51,30.24)
FMU_USART8_RX: length 7.7
  Top Layer w0.203: IC1.97 26.47,23.8 26.31,23.97 v1(26.26,23.97)
  Mid Layer 1 w0.203: v1(26.26,23.97) 26.29,24 26.54,24 27.41,24.87 27.41,27.71 v1(27.05,28.06)
  Bottom Layer w0.203: IC10.3 28.11,28.07 27.06,28.07 v1(27.05,28.06)
FMU_USART8_TX: length 7.7
  Top Layer w0.203: v1(26.29,24.51) 26.33,24.51 26.54,24.3 IC1.98
  Mid Layer 1 w0.203: v1(26.29,24.51) 26.29,24.53 26.92,25.17 26.92,27.59 26.62,27.89 26.46,28.05 v1(26.46,28.08)
  Bottom Layer w0.203: v1(26.46,28.08) 26.96,28.58 28.11,28.58 IC10.2
FMU_VBAT: length 13.6
  Top Layer w0.203: D1.1 32.88,27.66 32.54,27.66 v1(32.51,27.69) ; IC1.6 23.95,27.88 24.77,28.71 25.16,28.71 26.29,29.84 v1(26.29,30.23)
  Mid Layer 2 w0.203: v1(32.51,27.69) 32.5,27.69 32.5,27.96 28.96,31.5 27.56,31.5 v1(26.29,30.23)
FMU_VDD_3V3: length 152.4
  Top Layer w0.203: v1(31.23,30.81) 31.18,30.81 30.48,31.51 ; IC9.5 11.29,33.03 10.41,33.91 8.4,33.91 8.01,33.53 v1(8,33.53) ; 30.48,31.51 32.03,31.51 U2.5 ; 30.48,31.51 R3.2 ; IC8.5 34.71,9.09 34.26,8.65 34.17,8.65 v1(34.16,8.64) ; R4.1 30.37,29.44 30.37,31.51 ; v1(6.35,26.67) 6.35,25.92 3.96,23.53 1.92,23.53 1.7,23.3 LED2.4 ; IC2.2 37.53,39.47 C6.1 37.28,39.24 36.9,38.86 36.9,38.42 v1(36.32,37.85)
  Mid Layer 1 w0.203: v1(36.32,37.85) 31.24,32.77 31.24,30.81
  Mid Layer 2 w0.203: v1(29.72,18.03) 29.72,17.31 29.42,17.01 29.42,13 29.96,12.46 30.21,12.46 v1(30.73,11.94) ; 24.77,29.58 24.77,29 24.65,28.88 18.76,28.88 18.64,29 18.64,30 18.42,30.23 18.42,31.24 14.45,35.2 12.7,35.2 12.22,34.73 9.2,34.73 v1(8,33.53) 6.22,31.75 6.22,26.84 6.35,26.71 v1(6.35,26.67) ; v2(11.68,3.56) 12.19,3.05 v1(13.97,3.05)
  Bottom Layer w0.203: v2(11.68,3.56) 11.22,4.02 IC3.7 IC3.8 ; v1(30.73,11.94) 29.1,13.57 28.39,13.57 28.19,13.77 28.19,14.12 ; v1(30.73,11.94) 22.06,3.27 C5.1 ; v1(30.73,11.94) 32.77,11.94 33.27,11.43 33.27,9.02 33.65,8.64 v1(34.16,8.64) 35.05,8.64 37.34,10.92 37.34,12.45 38.23,13.33 J1.1 ; IC10.8 24.81,29.07 24.77,29.12 v1(24.77,29.59) 24.77,29.84 25.02,30.1 25.65,30.1 26.04,29.72 27.3,29.72 28.07,30.48 v1(28.58,30.48) 29.06,30.48 29.35,30.18 29.35,26.36 31.11,24.6 31.11,23.05 30.87,22.82 29.74,22.82 29.6,22.67 29.6,21.7 28.29,20.39 28.29,19.46 v1(29.72,18.03) ; C35.1 27.27,16.34 27.66,15.95 27.66,14.98 J4.4 28.22,14.42 28.22,14.12 ; v1(6.35,26.67) 6.35,27.34 6.8,27.8 7.87,27.8 8.75,28.67 8.8,28.67 9.14,29.02 R32.1 ; v1(13.97,3.05) 14.27,2.75 IC3.3 ; J13.3 11.4,40.15 10.85,40.7 8.49,40.7 8.13,40.33 8.13,35.49 9.14,34.48 9.14,34.41 8.8,34.06 8.54,34.06 v1(8,33.53)
  Bottom Layer w0.254: C5.1 16.54,3.27 16.03,2.75 IC3.3
FRAM_CS: length 8.1
  Top Layer w0.203: IC1.57 17.45,6.94 17.53,6.86 v2(17.53,5.84)
  Bottom Layer w0.203: v2(17.53,5.84) 16.97,5.29 IC3.1
FRAM_MISO: length 21.6
  Top Layer w0.203: IC1.53 15.45,7.83 14.99,7.37 v2(13.77,7.37)
  Mid Layer 1 w0.203: v2(13.77,7.37) 13.71,7.31 13.3,7.31 13.24,7.25 13.07,7.25 12.91,7.41 12.91,10.68 12.79,10.8 v2(7.24,10.8)
  Bottom Layer w0.203: v2(7.24,10.8) 7.2,10.8 6.94,11.05 5.94,11.05 IC6.6 ; IC3.2 15.13,4.02 14.35,4.8 14.35,6.82 13.94,7.23 13.93,7.23 13.8,7.37 v2(13.77,7.37)
FRAM_MOSI: length 23.2
  Top Layer w0.203: v2(13.72,6.72) 13.73,6.73 14.2,6.73 14.3,6.62 14.75,6.62 15.95,7.82 IC1.54
  Bottom Layer w0.203: IC3.5 10.58,1.48 12.71,3.61 12.71,6.1 ; IC6.7 6.16,9.79 6.36,9.59 6.36,9.35 7.34,8.38 7.34,7.14 8.38,6.1 12.71,6.1 ; v2(13.72,6.72) 13.69,6.69 13.69,6.45 13.33,6.1 12.71,6.1
FRAM_SCK: length 22.6
  Top Layer w0.203: IC1.47 12.88,14.82 11.97,14.82 11.43,15.37 v2(11.43,16.13)
  Mid Layer 2 w0.203: v2(11.43,16.13) 11.46,16.1 11.71,16.1 12.07,15.75 12.07,11.05 8.51,7.49 v2(6.73,7.49)
  Bottom Layer w0.203: IC6.8 6.18,8.54 6.37,8.34 6.37,7.92 6.73,7.56 ; v2(6.73,7.49) 6.73,5.7 9.68,2.75 IC3.6
FrSky_IN: length 3.2
  Top Layer w0.203: R23.1 10.04,36.59 J14.3
FrSky_INV: length 50
  Top Layer w0.203: v1(22.94,9.57) 22.94,9.86 23.11,10.03 23.11,10.52 23.43,10.84 23.43,11.74 IC1.69
  Mid Layer 2 w0.203: v1(22.94,9.57) 22.97,9.54 22.97,9.16 23.57,8.56 33.48,8.56 34.16,9.24 38.83,9.24 39.24,9.65 39.24,15.24 33.78,20.7 33.78,25.27 29.21,29.84 v1(28.58,29.84)
  Bottom Layer w0.203: IC10.5 25.67,27.57 25.91,27.81 25.91,28.51 26.47,29.07 IC10.1 28.12,29.53 28.41,29.82 28.55,29.82 v1(28.58,29.84)
FrSky_OUT: length 3.5
  Top Layer w0.203: R22.1 12.19,36.55 11.29,37.45 J14.2
LED_SAFETY: length 10.4
  Top Layer w0.203: v1(16.89,29.21) 16.9,29.2 16.9,28.78 17.85,27.83 17.85,27.73 17.95,27.63 IC1.18
  Mid Layer 2 w0.203: v1(16.89,29.21) 16.88,29.22 16.88,29.47 15.62,30.74 15.36,30.74 13.97,32.13 v1(13.97,33.78)
  Bottom Layer w0.203: v1(13.97,33.78) 13.59,34.16 13.59,34.73 13.22,35.1 R41.1
MPU9250_CS: length 16.8
  Top Layer w0.203: IC1.17 18.45,28.16 v1(17.4,29.21)
  Mid Layer 1 w0.203: v2(8.26,24.38) 8.26,24.38 8.63,24 9.28,24 9.4,24.12 9.4,26.16 10.37,27.13 v1(10.37,28.32)
  Mid Layer 2 w0.203: v1(17.4,29.21) 17.4,28.45 17.28,28.33 17.11,28.33 16.94,28.5 16.59,28.5 16.41,28.32 v1(10.37,28.32)
  Bottom Layer w0.203: 8.2,24.32 8.26,24.37 v2(8.26,24.38)
MPU9250_DRDY: length 18.4
  Top Layer w0.203: v1(19.89,13.99) 19.89,13.95 19.95,13.89 IC1.62
  Mid Layer 1 w0.203: v2(7.37,19.69) 8.72,18.33 8.72,18.31 10.32,16.7 14.79,16.7 17.75,13.74 19.64,13.74 v1(19.89,13.99)
  Bottom Layer w0.203: v2(7.37,19.69) 7.01,20.04 7.01,20.54 7,20.55
MPU9250_MISO: length 24.1
  Top Layer w0.203: IC1.31 16.16,22.8 16.3,22.67 16.3,22.52 16.51,22.31 v2(16.51,22.22)
  Mid Layer 2 w0.203: v2(10.19,17.55) 10.76,17.55 10.84,17.64 11.67,17.64 14.6,20.57 ; v2(14.6,19.94) 14.6,20.57 ; 14.6,20.57 15.92,21.89 16.09,21.89 16.43,22.22 v2(16.51,22.22)
  Bottom Layer w0.203: 17.35,22.22 17.35,22.23 16.51,22.23 v2(16.51,22.22) ; 8.2,20.55 8.2,19.48 10.12,17.55 v2(10.19,17.55) ; U3.9 18.92,18.42 18.7,18.64 15.89,18.64 15.55,18.99 14.85,18.99 14.6,19.24 v2(14.6,19.94)
MPU9250_MOSI: length 28.8
  Top Layer w0.203: v2(15.62,22.37) 13.74,22.37 13.67,22.3 IC1.32 ; v2(14.15,21.72) 14.4,21.97 15.24,21.97 15.58,22.31
  Mid Layer 2 w0.203: v1(16.73,22.76) 16.73,22.72 17.01,22.43 17.01,22.02 16.57,21.58 16.41,21.58 15.25,20.42 15.25,19.95 v2(15.24,19.94) ; 16.72,22.73 16.71,22.73 15.98,22.73 v2(15.62,22.37)
  Bottom Layer w0.203: IC5.3 17.34,22.75 16.74,22.75 v1(16.73,22.76) ; 9,23.4 9,23.62 9.01,23.62 9.91,23.62 10.06,23.48 10.06,20.29 10.92,19.43 12.19,19.43 12.7,19.94 12.7,19.94 13.82,21.06 13.82,21.38 v2(14.15,21.72) ; U3.11 20.37,16.76 20.75,17.14 20.75,17.5 20.5,17.75 20.09,17.75 18.85,18.99 16.04,18.99 15.69,19.34 15.46,19.34 15.27,19.53 15.27,19.91 v2(15.24,19.94)
MPU9250_SCK: length 30.9
  Top Layer w0.203: IC1.30 13.67,23.3 13.74,23.24 v2(14.22,23.24) 14.27,23.24 14.39,23.37 v2(16.51,23.37)
  Mid Layer 2 w0.203: v2(16.51,23.37) 16.54,23.34 16.93,23.34 17.36,22.9 17.36,21.87 16.72,21.22 16.55,21.22 15.88,20.55 15.88,20.32 15.9,20.29 15.9,19.84 v2(15.93,19.81)
  Bottom Layer w0.203: U3.1 20.91,15.75 21.46,16.3 21.46,17.28 20.64,18.1 20.24,18.1 18.99,19.35 16.4,19.35 v2(15.93,19.81) ; 8.61,23.63 8.61,23.88 8.73,24 10.03,24 10.06,23.98 10.06,23.98 10.41,23.62 10.41,20.45 11.06,19.8 11.93,19.8 13.41,21.28 13.41,22.47 14.18,23.24 v2(14.22,23.24) ; 17.35,23.23 17.03,23.23 16.89,23.37 v2(16.51,23.37)
NetC1_2: length 2.5
  Top Layer w0.203: C1.2 10.57,13.8 IC1.49
NetC2_2: length 69
  Top Layer w0.203: 23.44,20.63 18.28,20.63 17.27,21.64 v1(17.27,24.57) 16.06,24.57 15.8,24.3 IC1.28 ; 23.44,20.63 25.5,22.69 25.5,24.82 25.62,24.94 26.59,24.94 26.95,25.3 IC1.100 ; 23.44,20.63 23.44,19.6 21.54,17.69 21.54,16.43 23.11,14.85 v1(23.11,13.46) 23.16,13.46 23.42,13.72 25.39,13.72 26.43,12.69 26.43,11.77 IC1.75 ; v1(19.53,24.08) 19.53,24.79 18.62,25.7 ; IC1.22 15.95,26.1 16.35,25.7 16.78,25.7 ; 18.62,25.7 21.11,25.7 21.4,25.99 21.4,26.03 21.45,26.08 IC1.11 ; 18.62,25.7 17.11,25.7 ; 16.78,25.7 17.11,25.7 ; 16.78,25.7 16.47,26.02 16.47,26.84 IC1.21 ; C12.2 11.33,13.3 IC1.50 15.34,13.3 16.44,14.4 16.93,14.4 17.64,15.11 v1(21.13,15.11) ; 17.11,25.7 17.4,25.99 17.4,26.03 17.45,26.08 IC1.19
  Mid Layer 1 w0.203: v1(23.11,13.46) 23.08,13.49 22.75,13.49 v1(21.13,15.11) ; v1(19.53,24.08) 17.76,24.08 v1(17.27,24.57)
  Bottom Layer w0.203: v1(21.13,15.11) 21.1,15.08 21.1,14.69 20.6,14.19 20.6,13.74 20.42,13.56 18.44,13.56 17.71,12.83 C2.2
NetC7_2: length 3.4
  Top Layer w0.203: C7.2 25.45,9.76 IC1.73
